# KiCad board gk.kicad_pcb (continued)
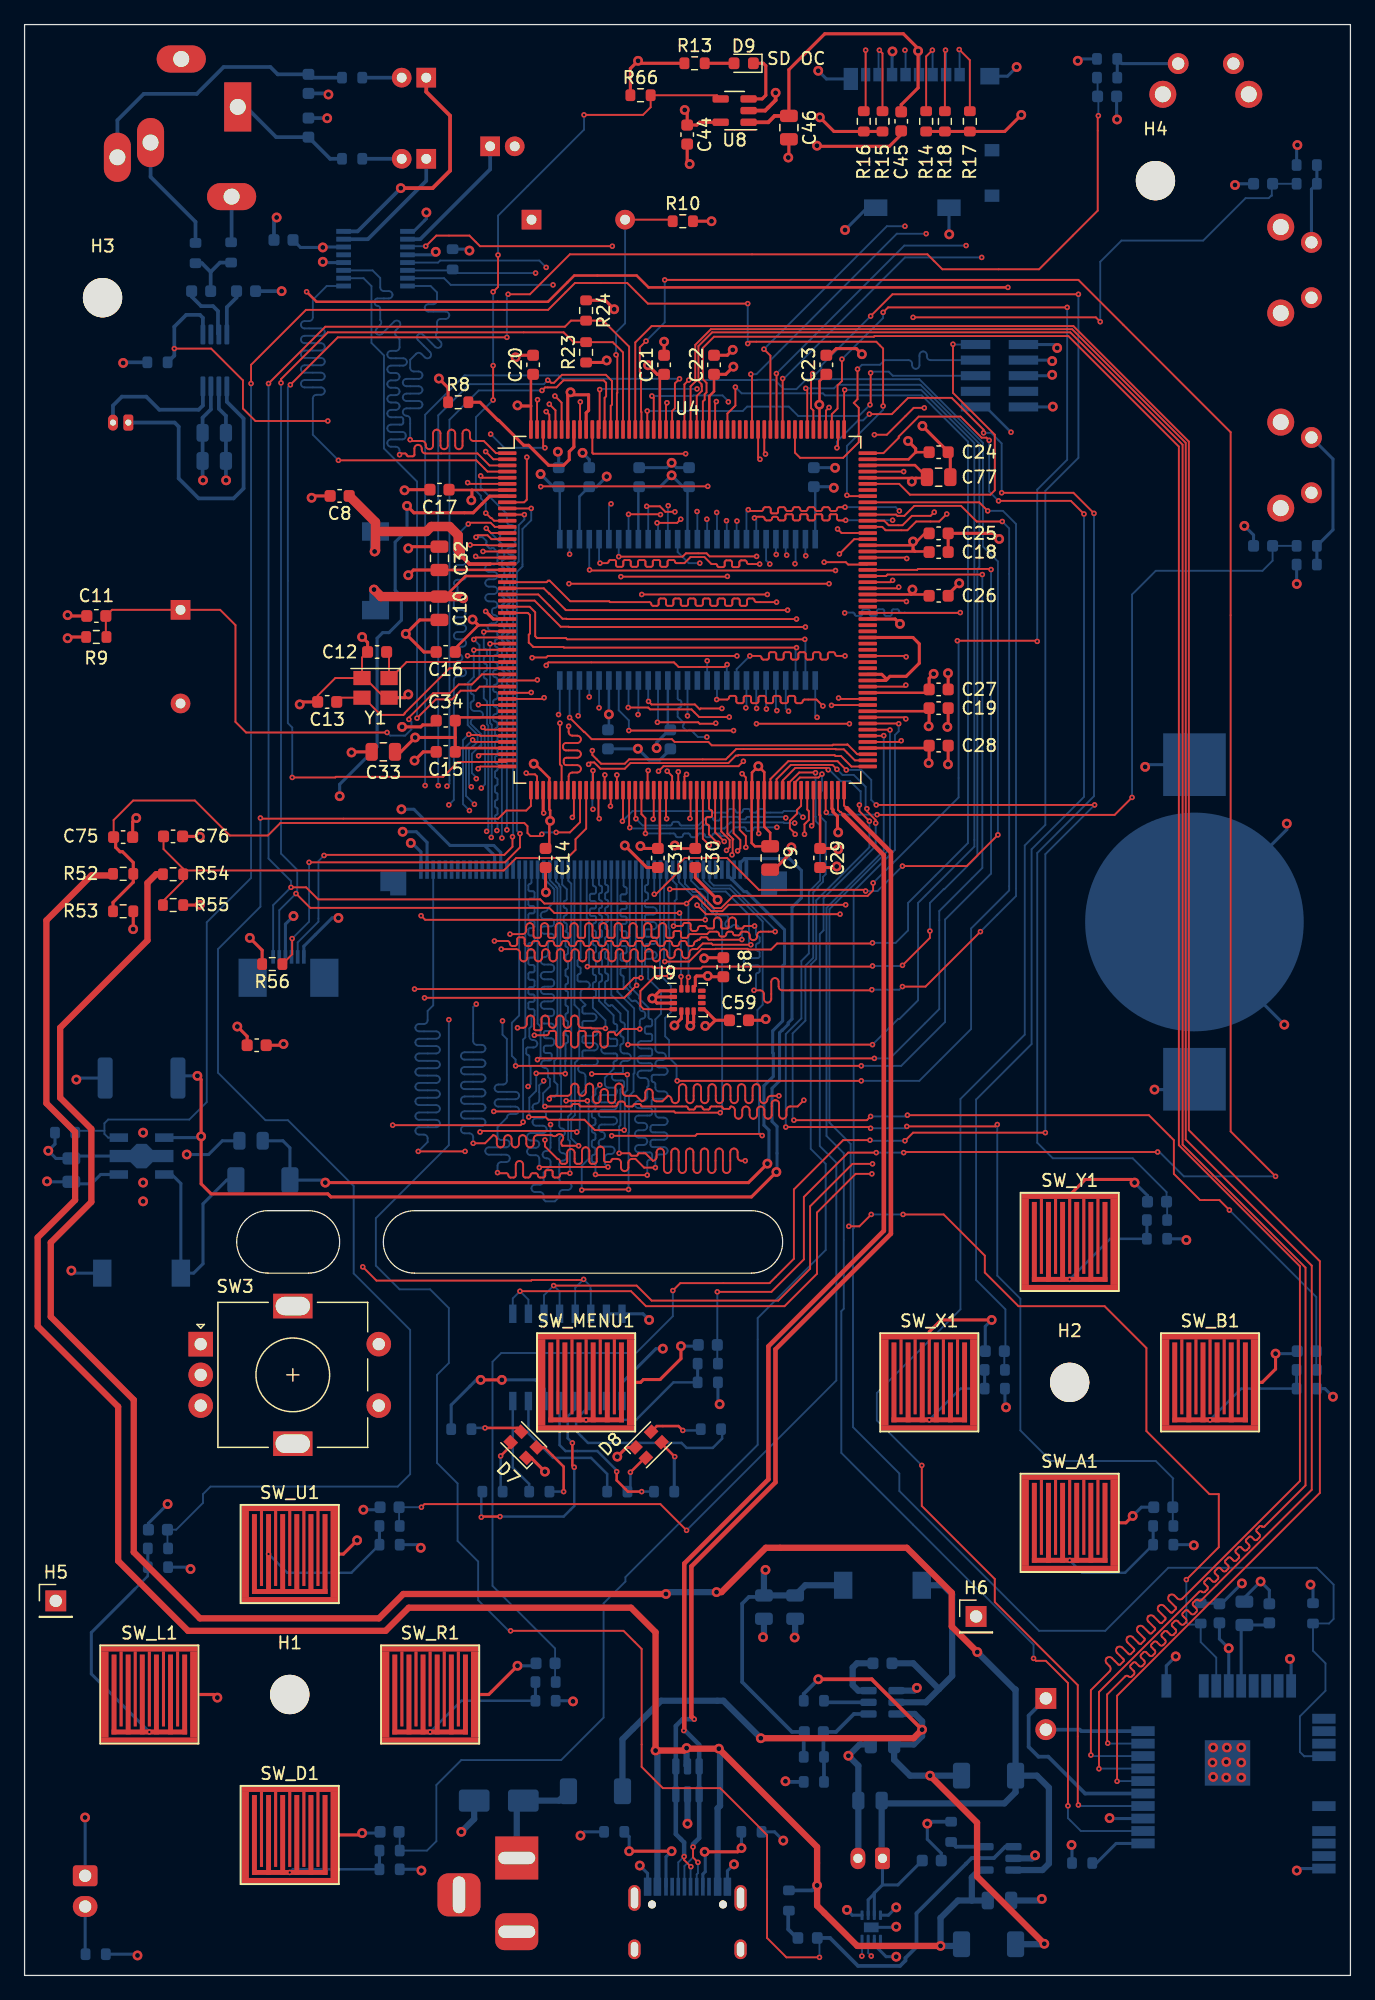
[diagram p0: board, top side]
## Routing (per net, layer and track width the routed paths; a pad name or vN(x,y) marks a point on that pad's centre or on a via; arc(x,y) is an arc through that point) (continued)
BTN_MCU_U: length 103.6
  Top w0.152: v2(32.31,38.1) 32.56,38.35 51.77,38.35 v2(53.9,36.22) ; v2(68.58,94.95) 68.58,94.74 69.3,94.02 v2(69.3,93.77) ; v2(66.14,98.15) 65.79,98.5 62.38,98.5 61.22,97.34 U4.93
  Bottom w0.152: v2(68.58,94.95) 68.48,95.05 68.48,96.72 67.51,97.69 66.6,97.69 v2(66.14,98.15) ; v2(32.31,38.1) C67.1 30.49,36.63 30.54,36.58 ; v2(69.3,93.77) 69.3,91.9 65.05,87.66 65.05,85.04 64.75,84.74 64.75,67.49 66.09,66.14 66.09,48.41 v2(53.9,36.22)
BTN_MCU_VOLDOWN: length 59.7
  Top w0.152: v2(69.41,94.46) 69.43,94.44 88.75,94.44 v2(90.17,95.86) ; U4.101 65.22,94.69 v2(65.28,94.64)
  Bottom w0.152: R47.2 C72.1 101.61,115.13 100.79,114.3 92.1,114.3 90.17,112.37 v2(90.17,95.86) ; v2(69.41,94.46) 65.46,94.46 v2(65.28,94.64)
BTN_MCU_VOLUP: length 90.3
  Top w0.152: v2(73.25,127.56) 72.39,127.56 70.21,125.37 v2(69.19,125.37) ; v2(58.42,97.79) 58.72,97.49 U4.88 ; v2(59.59,101.85) v2(67.16,101.85) ; v2(87.58,134.57) 87.22,134.92 v2(72.34,134.92)
  In3.Cu w0.152: v2(73.25,127.56) 73.25,134.01 v2(72.34,134.92) ; v2(69.19,125.37) 69.04,125.37 67.46,123.8 67.46,119.02 67.67,118.82 67.41,118.57 67.41,107.04 67.16,106.78 v2(67.16,101.85) ; v2(59.59,101.85) 59.59,99.26 58.42,98.09 v2(58.42,97.79)
  Bottom w0.152: v2(87.58,134.57) 87.58,139.45 89.31,141.17 95.96,141.17 99.42,144.63 101.3,144.63 101.5,144.83 101.55,144.83 101.55,145.73 C71.1 R45.2
BTN_MCU_X: length 99
  Top w0.152: U4.156 69.93,123.88 71.17,125.12 71.17,125.22 72.8,126.85 76.21,126.85 77.92,125.14 78.32,125.14 v2(78.54,124.92) ; v2(86.26,118.92) 85.19,119.99 v2(79.3,119.99)
  Bottom w0.152: v2(79.3,119.99) 78.54,120.75 v2(78.54,124.92) ; v2(86.26,118.92) 86.26,95.91 81.99,91.64 81.99,75.79 77.47,71.27 77.47,56.59 79.86,54.2 79.86,50.89 C65.1 79.77,49.33 R33.2
BTN_MCU_Y: length 98.4
  Top w0.152: v2(78.08,125.53) 78.08,125.78 75.49,128.37 71.93,128.37 70.61,127.05 v2(68.78,127.05) ; v2(87.07,118.97) 85.39,120.65 v2(79.55,120.65) ; v2(66.14,124.31) 66.22,124.39 U4.158
  Bottom w0.152: R35.2 93.03,62.91 C66.1 92.98,63.74 90.22,66.5 83.72,66.5 82.45,67.77 82.45,91.34 87.07,95.96 v2(87.07,118.97) ; v2(79.55,120.65) 79.55,124.66 78.69,125.53 v2(78.08,125.53) ; v2(68.78,127.05) 68.28,126.54 67.87,126.54 66.14,124.82 v2(66.14,124.31)
BTNLED_B: length 103.7
  Top w0.152: v2(45.52,56.64) 45.47,56.59 41.3,56.59 41.25,56.54 28.65,56.54 v2(27.53,57.66) ; v2(42.37,124.31) 42.22,124.45 U4.206
  In3.Cu w0.152: v2(37.95,125.43) 34.99,122.47 34.99,85.84 33.32,84.18 33.32,77.37 33.99,76.71 33.99,76.05 30.94,73 30.94,66.55 27.53,63.14 v2(27.53,57.66)
  Bottom w0.152: U11.6 46.1,55.8 46.08,55.83 46.08,56.08 v2(45.52,56.64) 44.83,55.96 U11.5 ; v2(37.95,125.43) 39.07,124.31 v2(42.37,124.31)
BTNLED_G: length 107.9
  Top w0.152: U4.143 66.52,117.38 v2(66.19,117.7) ; v2(43.08,56.13) 49.83,56.13 51.05,54.91 61.37,54.91 63.96,57.51 63.96,62.59 67.41,66.04 v2(69.04,66.04)
  In3.Cu w0.152: v2(69.04,66.04) 69.29,66.29 75.08,66.29 75.79,67.01 75.79,93.98 72.85,96.93 70.05,96.93 65.74,101.24 64.58,101.24 63.77,102.06 63.77,103.27 64.07,103.58 64.07,115.58 v2(66.19,117.7)
  Bottom w0.152: U11.3 42.29,55.35 v2(43.08,56.13) 43.56,55.65 U11.4
BTNLED_R: length 110.4
  Top w0.152: v2(66.34,115.67) 67.55,116.88 U4.142 ; v2(68.99,65.23) 67.67,65.23 64.52,62.08 64.52,57.1 61.87,54.46 50.6,54.46 49.38,55.68 v2(40.34,55.68)
  In3.Cu w0.152: v2(66.34,115.67) 65.22,115.67 64.31,114.77 64.31,103.48 64.01,103.17 64.01,102.16 64.67,101.5 66.04,101.5 70.1,97.43 73.66,97.43 76.4,94.69 76.4,66.34 75.64,65.58 69.34,65.58 v2(68.99,65.23)
  Bottom w0.152: U11.1 39.75,55.09 v2(40.34,55.68) 41.02,54.99 U11.2
CTP_INT: length 53.6
  Top w0.152: v2(40.69,118.87) 40.69,118.88 U4.11 ; v2(39.73,92.66) 39.73,91.85 39.07,91.19 24.43,91.19 v2(24.38,91.14)
  Bottom w0.152: v2(39.73,92.66) 39.78,92.71 39.78,114.6 40.23,115.06 40.23,118.01 40.69,118.47 v2(40.69,118.87) ; v2(24.38,91.14) 23.93,90.68 23.93,85.75 22.24,84.06 J9.2
CTP_NRESET: length 58.5
  Top w0.152: v2(40.34,92.91) 40.34,91.8 39.12,90.58 v2(23.16,90.58) ; U4.10 41.24,119.38 v2(41.25,119.38) ; R56.1 21.79,83.09 v2(21.79,84.37)
  Bottom w0.152: v2(40.34,92.91) 40.08,93.17 40.08,114.2 40.54,114.66 40.54,117.7 41.25,118.41 v2(41.25,119.38) ; J9.3 21.74,84.32 v2(21.79,84.37) 23.16,85.75 v2(23.16,90.58)
FMC_A0: length 34.4
  Top w0.152: U4.22 42.5,113.38 42.62,113.5 42.75,113.5 44.42,111.83 47.6,111.83 47.67,111.75 50.88,111.75 arc(50.98,111.71) 51.02,111.6 arc(51.07,111.49) 51.17,111.45 51.47,111.45 arc(51.58,111.49) 51.62,111.6 51.62,111.9 arc(51.67,112.01) 51.77,112.05 52.08,112.05 arc(52.18,112.01) 52.22,111.9 52.22,111.6 arc(52.27,111.49) 52.38,111.45 52.67,111.45 arc(52.78,111.49) 52.83,111.6 52.83,111.9 arc(52.87,112.01) 52.97,112.05 53.27,112.05 arc(53.38,112.01) 53.42,111.9 53.42,111.6 arc(53.47,111.49) 53.58,111.45 53.88,111.45 arc(53.98,111.49) 54.02,111.6 54.02,111.9 arc(54.07,112.01) 54.17,112.05 54.47,112.05 arc(54.58,112.01) 54.62,111.9 54.62,111.6 arc(54.67,111.49) 54.77,111.45 55.08,111.45 arc(55.18,111.49) 55.22,111.6 55.22,111.9 arc(55.27,112.01) 55.38,112.05 55.67,112.05 arc(55.78,112.01) 55.83,111.9 55.83,111.6 arc(55.87,111.49) 55.97,111.45 56.27,111.45 arc(56.38,111.49) 56.42,111.6 56.42,111.9 arc(56.47,112.01) 56.58,112.05 56.88,112.05 arc(56.98,112.01) 57.02,111.9 57.02,111.6 arc(57.07,111.49) 57.17,111.45 57.47,111.45 arc(57.58,111.49) 57.62,111.6 57.62,111.9 arc(57.67,112.01) 57.77,112.05 58.08,112.05 arc(58.18,112.01) 58.22,111.9 58.22,111.6 arc(58.27,111.49) 58.38,111.45 58.67,111.45 arc(58.78,111.49) 58.83,111.6 58.83,111.9 arc(58.87,112.01) 58.97,112.05 59.27,112.05 arc(59.38,112.01) 59.42,111.9 arc(59.47,111.79) 59.58,111.75 v2(61.22,111.75)
  In3.Cu w0.152: v2(61.2,115.63) 61.35,115.48 61.35,114.7 61.22,114.58 v2(61.22,111.75)
  Bottom w0.152: U6.23 61.17,115.65 v2(61.2,115.63)
FMC_A1: length 29.4
  Top w0.152: U4.23 42.27,112.88 42.7,112.45 42.72,112.45 44.08,111.1 v2(62.12,111.1)
  In3.Cu w0.152: v2(62.12,111.1) 62.12,115.5 v2(62.05,115.58)
  Bottom w0.152: U6.24 61.97,115.65 v2(62.05,115.58)
FMC_A2: length 31
  Top w0.152: U4.24 41.83,112.38 43.8,110.4 44.12,110.4 44.15,110.38 v2(62.85,110.38)
  In3.Cu w0.152: v2(62.85,110.38) 62.85,114.75 v2(62.72,114.88)
  Bottom w0.152: v2(62.72,114.88) 62.77,114.93 U6.25
FMC_A3: length 32.3
  Top w0.152: v2(63.58,109.73) 44.33,109.73 44.3,109.75 43.65,109.75 41.52,111.88 U4.25
  In3.Cu w0.152: v2(63.58,109.73) 63.58,115.5 v2(63.6,115.53)
  Bottom w0.152: U6.26 63.58,115.55 v2(63.6,115.53)
FMC_A4: length 29.8
  Top w0.152: v2(63.52,108.73) 44.17,108.73 44.08,108.83 41.72,108.83 41.58,108.98 41.58,110.93 41.12,111.38 U4.26
  Bottom w0.152: v2(63.52,108.73) 63.58,108.68 U6.29
FMC_A5: length 28.9
  Top w0.152: U4.27 40.97,110.88 41.15,110.7 41.15,109.2 41.05,109.1 41.05,108.45 41.08,108.45 41.42,108.1 43.88,108.1 43.92,108.05 v2(62.85,108.05)
  Bottom w0.152: v2(62.85,108.05) 62.77,107.98 U6.30
FMC_A6: length 32.3
  Top w0.152: v2(48.67,93.93) 48.72,93.98 U4.68
  In3.Cu w0.152: v2(62.2,102.88) 63.38,101.7 63.38,101.33 arc(63.42,101.22) 63.52,101.18 arc(63.63,101.13) 63.67,101.03 63.67,100.73 arc(63.63,100.62) 63.52,100.58 arc(63.42,100.53) 63.38,100.43 63.38,100.13 arc(63.42,100.02) 63.52,99.98 arc(63.63,99.93) 63.67,99.83 63.67,99.53 arc(63.63,99.42) 63.52,99.38 arc(63.42,99.33) 63.38,99.23 63.38,98.93 arc(63.42,98.82) 63.52,98.78 arc(63.63,98.73) 63.67,98.63 63.67,98.33 arc(63.63,98.22) 63.52,98.18 arc(63.42,98.13) 63.38,98.03 63.38,97.73 arc(63.42,97.62) 63.52,97.58 arc(63.63,97.53) 63.67,97.43 63.67,97.13 arc(63.63,97.02) 63.52,96.98 arc(63.42,96.93) 63.38,96.83 63.38,96.53 arc(63.42,96.42) 63.52,96.38 arc(63.63,96.33) 63.67,96.23 63.67,95.93 arc(63.63,95.82) 63.52,95.78 arc(63.42,95.73) 63.38,95.63 v2(63.38,94.25)
  Bottom w0.152: v2(63.38,94.25) 62.88,94.75 61.83,94.75 61.7,94.63 60.42,94.63 arc(60.32,94.67) 60.27,94.78 arc(60.23,94.88) 60.12,94.93 59.83,94.93 arc(59.72,94.88) 59.67,94.78 arc(59.63,94.67) 59.52,94.63 59.22,94.63 arc(59.12,94.67) 59.08,94.78 arc(59.03,94.88) 58.92,94.93 58.62,94.93 arc(58.52,94.88) 58.47,94.78 arc(58.43,94.67) 58.33,94.63 58.02,94.63 arc(57.92,94.67) 57.88,94.78 arc(57.83,94.88) 57.72,94.93 57.42,94.93 arc(57.32,94.88) 57.27,94.78 arc(57.23,94.67) 57.12,94.63 56.08,94.63 55.95,94.75 49.5,94.75 v2(48.67,93.93) ; U6.31 61.97,103.1 v2(62.2,102.88)
FMC_A7: length 31
  Top w0.152: v2(49.27,93.4) 49.22,93.45 U4.69
  In3.Cu w0.152: v2(62.7,93.78) 62.7,95.33 arc(62.74,95.43) 62.85,95.48 arc(62.96,95.52) 63,95.63 63,95.93 arc(62.96,96.03) 62.85,96.08 arc(62.74,96.12) 62.7,96.23 62.7,96.53 arc(62.74,96.63) 62.85,96.68 arc(62.96,96.72) 63,96.83 63,97.13 arc(62.96,97.23) 62.85,97.28 arc(62.74,97.32) 62.7,97.43 62.7,97.73 arc(62.74,97.83) 62.85,97.88 arc(62.96,97.92) 63,98.03 63,98.33 arc(62.96,98.43) 62.85,98.48 arc(62.74,98.52) 62.7,98.63 62.7,98.93 arc(62.74,99.03) 62.85,99.08 arc(62.96,99.12) 63,99.23 63,99.53 arc(62.96,99.63) 62.85,99.68 arc(62.74,99.72) 62.7,99.83 62.7,100.13 arc(62.74,100.23) 62.85,100.28 arc(62.96,100.32) 63,100.43 63,100.73 arc(62.96,100.83) 62.85,100.88 arc(62.74,100.92) 62.7,101.03 62.7,101.48 v2(61.25,102.93)
  Bottom w0.152: v2(62.7,93.78) 61.85,93.78 61.8,93.83 57.47,93.83 56.98,93.33 55.92,93.33 arc(55.82,93.38) 55.77,93.48 arc(55.73,93.59) 55.62,93.63 55.33,93.63 arc(55.22,93.59) 55.17,93.48 arc(55.13,93.38) 55.02,93.33 49.34,93.33 v2(49.27,93.4) ; v2(61.25,102.93) 61.17,103 U6.32
FMC_A8: length 32
  Top w0.152: U4.70 49.72,94.18 v2(49.77,94.13)
  In3.Cu w0.152: v2(61.97,94.2) 61.97,95.48 arc(62.02,95.58) 62.12,95.63 arc(62.23,95.67) 62.27,95.78 62.27,96.08 arc(62.23,96.18) 62.12,96.23 61.83,96.23 arc(61.72,96.27) 61.67,96.38 61.67,96.68 arc(61.72,96.78) 61.83,96.83 62.12,96.83 arc(62.23,96.87) 62.27,96.98 62.27,97.28 arc(62.23,97.38) 62.12,97.43 61.83,97.43 arc(61.72,97.47) 61.67,97.58 61.67,97.88 arc(61.72,97.98) 61.83,98.03 62.12,98.03 arc(62.23,98.07) 62.27,98.18 62.27,98.48 arc(62.23,98.58) 62.12,98.63 61.83,98.63 arc(61.72,98.67) 61.67,98.78 61.67,99.08 arc(61.72,99.18) 61.83,99.23 62.12,99.23 arc(62.23,99.27) 62.27,99.38 62.27,99.68 arc(62.23,99.78) 62.12,99.83 61.83,99.83 arc(61.72,99.87) 61.67,99.98 61.67,100.28 arc(61.72,100.38) 61.83,100.43 62.12,100.43 arc(62.23,100.47) 62.27,100.58 62.27,100.88 arc(62.23,100.98) 62.12,101.03 arc(62.02,101.07) 61.97,101.18 61.97,101.48 v2(60.4,103.05)
  Bottom w0.152: U6.33 60.38,103.08 v2(60.4,103.05) ; v2(49.77,94.13) 50.33,93.58 52.58,93.58 arc(52.68,93.62) 52.72,93.73 arc(52.77,93.83) 52.88,93.88 53.17,93.88 arc(53.28,93.83) 53.33,93.73 arc(53.37,93.62) 53.47,93.58 54.85,93.58 55.55,94.28 55.9,94.28 arc(56.01,94.23) 56.05,94.13 arc(56.09,94.02) 56.2,93.98 56.5,93.98 arc(56.61,94.02) 56.65,94.13 arc(56.69,94.23) 56.8,94.28 58.05,94.28 arc(58.12,94.25) 58.15,94.18 arc(58.18,94.1) 58.25,94.08 58.65,94.08 arc(58.72,94.1) 58.75,94.18 arc(58.78,94.25) 58.85,94.28 61.9,94.28 v2(61.97,94.2)
FMC_A9: length 31
  Top w0.152: U4.71 50.22,94.5 50.55,94.18 v2(50.55,92.93)
  In3.Cu w0.152: v2(61.25,93.43) 61.25,94.48 arc(61.29,94.58) 61.4,94.63 arc(61.51,94.67) 61.55,94.78 61.55,95.08 arc(61.51,95.18) 61.4,95.23 61.1,95.23 arc(60.99,95.27) 60.95,95.38 60.95,95.68 arc(60.99,95.78) 61.1,95.83 arc(61.21,95.87) 61.25,95.98 61.25,96.28 arc(61.21,96.38) 61.1,96.43 arc(60.99,96.47) 60.95,96.58 60.95,96.88 arc(60.99,96.98) 61.1,97.03 arc(61.21,97.07) 61.25,97.18 61.25,97.48 arc(61.21,97.58) 61.1,97.63 arc(60.99,97.67) 60.95,97.78 60.95,98.08 arc(60.99,98.18) 61.1,98.23 arc(61.21,98.27) 61.25,98.38 61.25,98.68 arc(61.21,98.78) 61.1,98.83 arc(60.99,98.87) 60.95,98.98 60.95,99.28 arc(60.99,99.38) 61.1,99.43 arc(61.21,99.47) 61.25,99.58 61.25,99.88 arc(61.21,99.98) 61.1,100.03 arc(60.99,100.07) 60.95,100.18 60.95,100.48 arc(60.99,100.58) 61.1,100.63 arc(61.21,100.67) 61.25,100.78 61.25,101.45 v2(59.6,103.1)
  Bottom w0.152: v2(50.55,92.93) 52.85,92.93 arc(52.96,92.88) 53,92.78 arc(53.04,92.67) 53.15,92.63 53.45,92.63 arc(53.56,92.67) 53.6,92.78 arc(53.64,92.88) 53.75,92.93 54.05,92.93 arc(54.16,92.88) 54.2,92.78 arc(54.24,92.67) 54.35,92.63 54.65,92.63 arc(54.76,92.67) 54.8,92.78 arc(54.84,92.88) 54.95,92.93 55.25,92.93 arc(55.36,92.88) 55.4,92.78 arc(55.44,92.67) 55.55,92.63 55.85,92.63 arc(55.96,92.67) 56,92.78 arc(56.04,92.88) 56.15,92.93 56.55,92.93 arc(56.62,92.9) 56.65,92.83 arc(56.68,92.75) 56.75,92.73 57.15,92.73 arc(57.22,92.75) 57.25,92.83 arc(57.28,92.9) 57.35,92.93 57.85,93.43 58.58,93.43 arc(58.68,93.38) 58.72,93.28 arc(58.77,93.17) 58.88,93.13 59.17,93.13 arc(59.28,93.17) 59.33,93.28 arc(59.37,93.38) 59.47,93.43 v2(61.25,93.43) ; v2(59.6,103.1) 59.58,103.13 U6.34
FMC_A10: length 35.2
  Top w0.152: v2(50.77,98.05) 50.72,98 U4.72 ; v2(60.47,112.38) v2(50.25,112.38)
  In3.Cu w0.152: v2(60.67,114.85) 60.47,114.65 v2(60.47,112.38) ; v2(50.25,112.38) 50.25,111.4 arc(50.29,111.29) 50.4,111.25 arc(50.51,111.21) 50.55,111.1 50.55,110.8 arc(50.51,110.69) 50.4,110.65 50.1,110.65 arc(49.99,110.61) 49.95,110.5 49.95,110.2 arc(49.99,110.09) 50.1,110.05 50.4,110.05 arc(50.51,110.01) 50.55,109.9 50.55,109.6 arc(50.51,109.49) 50.4,109.45 50.1,109.45 arc(49.99,109.41) 49.95,109.3 49.95,109 arc(49.99,108.89) 50.1,108.85 50.4,108.85 arc(50.51,108.81) 50.55,108.7 50.55,108.4 arc(50.51,108.29) 50.4,108.25 50.1,108.25 arc(49.99,108.21) 49.95,108.1 49.95,107.8 arc(49.99,107.69) 50.1,107.65 50.4,107.65 arc(50.51,107.61) 50.55,107.5 50.55,107.2 arc(50.51,107.09) 50.4,107.05 50.1,107.05 arc(49.99,107.01) 49.95,106.9 49.95,106.6 arc(49.99,106.49) 50.1,106.45 50.4,106.45 arc(50.51,106.41) 50.55,106.3 50.55,106 arc(50.51,105.89) 50.4,105.85 arc(50.29,105.81) 50.25,105.7 50.25,103.28 50.77,102.75 v2(50.77,98.05)
  Bottom w0.152: U6.22 60.38,115.15 v2(60.67,114.85)
FMC_A11: length 22.2
  Top w0.152: v2(51.61,97.99) 52.02,98.4 58.12,98.4 v2(58.52,98.8) ; v2(52.27,94.13) 52.22,94.18 U4.75
  In3.Cu w0.152: v2(51.61,97.99) 51.61,97.86 52.27,97.2 v2(52.27,94.13) ; v2(58.72,103.15) 58.52,102.95 58.52,102.53 arc(58.57,102.42) 58.67,102.38 arc(58.78,102.33) 58.83,102.23 58.83,101.93 arc(58.78,101.82) 58.67,101.78 58.38,101.78 arc(58.27,101.73) 58.22,101.63 58.22,101.33 arc(58.27,101.22) 58.38,101.18 58.67,101.18 arc(58.78,101.13) 58.83,101.03 58.83,100.73 arc(58.78,100.62) 58.67,100.58 58.38,100.58 arc(58.27,100.53) 58.22,100.43 58.22,100.13 arc(58.27,100.02) 58.38,99.98 arc(58.48,99.93) 58.52,99.83 v2(58.52,98.8)
  Bottom w0.152: v2(58.72,103.15) 58.77,103.2 U6.35
FMC_A12: length 38.4
  Top w0.152: v2(66.8,107.38) 66.15,107.38 arc(66.04,107.42) 66,107.53 arc(65.96,107.63) 65.85,107.68 65.55,107.68 arc(65.44,107.63) 65.4,107.53 65.4,107.23 arc(65.36,107.12) 65.25,107.08 64.95,107.08 arc(64.84,107.12) 64.8,107.23 64.8,107.53 arc(64.76,107.63) 64.65,107.68 64.35,107.68 arc(64.24,107.63) 64.2,107.53 64.2,107.23 arc(64.16,107.12) 64.05,107.08 63.75,107.08 arc(63.64,107.12) 63.6,107.23 63.6,107.53 arc(63.56,107.63) 63.45,107.68 63.15,107.68 arc(63.04,107.63) 63,107.53 63,107.23 arc(62.96,107.12) 62.85,107.08 62.55,107.08 arc(62.44,107.12) 62.4,107.23 62.4,107.53 arc(62.36,107.63) 62.25,107.68 61.95,107.68 arc(61.84,107.63) 61.8,107.53 61.8,107.23 arc(61.76,107.12) 61.65,107.08 61.35,107.08 arc(61.24,107.12) 61.2,107.23 61.2,107.53 arc(61.16,107.63) 61.05,107.68 60.75,107.68 arc(60.64,107.63) 60.6,107.53 60.6,107.23 arc(60.56,107.12) 60.45,107.08 60.15,107.08 arc(60.04,107.12) 60,107.23 arc(59.96,107.33) 59.85,107.38 v2(59.05,107.38) ; U4.130 76.16,110.88 v2(76.18,110.9)
  In3.Cu w0.152: v2(66.8,107.38) 66.8,108.58 arc(66.84,108.68) 66.95,108.73 arc(67.06,108.77) 67.1,108.88 67.1,109.18 arc(67.06,109.28) 66.95,109.33 66.67,109.33 arc(66.59,109.36) 66.55,109.45 66.55,109.8 arc(66.59,109.89) 66.67,109.93 arc(66.76,109.96) 66.8,110.05 66.8,110.85 v2(66.77,110.88)
  Bottom w0.152: v2(66.77,110.88) 66.8,110.9 67.45,110.9 arc(67.54,110.86) 67.58,110.77 arc(67.62,110.67) 67.72,110.63 68.07,110.63 arc(68.16,110.67) 68.2,110.77 68.2,111.04 arc(68.24,111.13) 68.34,111.17 68.66,111.17 arc(68.76,111.13) 68.8,111.04 68.8,110.76 arc(68.84,110.67) 68.94,110.63 69.26,110.63 arc(69.36,110.67) 69.4,110.76 69.4,111.04 arc(69.44,111.13) 69.54,111.17 69.86,111.17 arc(69.96,111.13) 70,111.04 70,110.76 arc(70.04,110.67) 70.14,110.63 70.46,110.63 arc(70.56,110.67) 70.6,110.76 70.6,111.03 arc(70.64,111.13) 70.73,111.17 71.07,111.17 arc(71.16,111.13) 71.2,111.03 arc(71.24,110.94) 71.33,110.9 v2(76.18,110.9) ; v2(59.05,107.38) 57.97,106.3 U6.36
FMC_BA0: length 28.1
  Top w0.152: v2(58.92,119.28) 59.02,119.18 60,119.18 arc(60.11,119.22) 60.15,119.33 arc(60.19,119.43) 60.3,119.48 60.6,119.48 arc(60.71,119.43) 60.75,119.33 60.75,119.08 arc(60.78,119) 60.85,118.98 61.25,118.98 arc(61.32,119) 61.35,119.08 61.35,119.33 arc(61.39,119.43) 61.5,119.48 61.8,119.48 arc(61.91,119.43) 61.95,119.33 arc(61.99,119.22) 62.1,119.18 62.4,119.18 arc(62.51,119.22) 62.55,119.33 arc(62.59,119.43) 62.7,119.48 63,119.48 arc(63.11,119.43) 63.15,119.33 arc(63.19,119.22) 63.3,119.18 63.6,119.18 arc(63.71,119.22) 63.75,119.33 arc(63.79,119.43) 63.9,119.48 64.2,119.48 arc(64.31,119.43) 64.35,119.33 arc(64.39,119.22) 64.5,119.18 64.8,119.18 arc(64.91,119.22) 64.95,119.33 arc(64.99,119.43) 65.1,119.48 65.4,119.48 arc(65.51,119.43) 65.55,119.33 arc(65.59,119.22) 65.7,119.18 66,119.18 arc(66.11,119.22) 66.15,119.33 arc(66.19,119.43) 66.3,119.48 66.8,119.48 v2(66.8,119.48) ; v2(71.17,112.98) 71.08,112.88 U4.134
  In3.Cu w0.152: v2(71.17,112.98) 71.22,113.03 71.22,114.18 arc(71.18,114.28) 71.08,114.33 arc(70.97,114.37) 70.92,114.48 70.92,114.78 arc(70.97,114.88) 71.08,114.93 arc(71.18,114.97) 71.22,115.08 71.22,115.38 arc(71.18,115.48) 71.08,115.53 arc(70.97,115.57) 70.92,115.68 70.92,115.98 arc(70.97,116.08) 71.08,116.13 71.38,116.13 arc(71.48,116.17) 71.52,116.28 71.52,116.58 arc(71.48,116.68) 71.38,116.73 71.08,116.73 arc(70.97,116.77) 70.92,116.88 70.92,117.18 arc(70.97,117.28) 71.08,117.33 71.38,117.33 arc(71.48,117.37) 71.52,117.48 71.52,117.78 arc(71.48,117.88) 71.38,117.93 arc(71.27,117.97) 71.22,118.08 v2(71.22,119.18)
  Bottom w0.152: v2(66.8,119.48) 70.92,119.48 v2(71.22,119.18) ; U6.20 58.77,119.13 v2(58.92,119.28)
FMC_BA1: length 24.7
  Top w0.152: U4.135 70.52,113.38 v2(70.67,113.53) ; v2(66.85,118.41) 66.84,118.4 66.3,118.4 arc(66.19,118.44) 66.15,118.55 66.15,118.8 arc(66.12,118.87) 66.05,118.9 65.65,118.9 arc(65.58,118.87) 65.55,118.8 65.55,118.55 arc(65.51,118.44) 65.4,118.4 65.1,118.4 arc(64.99,118.44) 64.95,118.55 64.95,118.8 arc(64.92,118.87) 64.85,118.9 64.45,118.9 arc(64.38,118.87) 64.35,118.8 64.35,118.55 arc(64.31,118.44) 64.2,118.4 63.9,118.4 arc(63.79,118.44) 63.75,118.55 63.75,118.8 arc(63.72,118.87) 63.65,118.9 63.25,118.9 arc(63.18,118.87) 63.15,118.8 63.15,118.55 arc(63.11,118.44) 63,118.4 62.7,118.4 arc(62.59,118.44) 62.55,118.55 62.55,118.8 arc(62.52,118.87) 62.45,118.9 62.05,118.9 arc(61.98,118.87) 61.95,118.8 61.95,118.55 arc(61.91,118.44) 61.8,118.4 61.5,118.4 arc(61.39,118.44) 61.35,118.55 arc(61.31,118.66) 61.2,118.7 61,118.7 arc(60.89,118.66) 60.85,118.55 arc(60.81,118.44) 60.7,118.4 60.4,118.4 arc(60.29,118.44) 60.25,118.55 arc(60.21,118.66) 60.1,118.7 59.52,118.7 v2(59.42,118.6)
  In3.Cu w0.152: v2(70.67,118.41) 70.67,117.75 arc(70.63,117.64) 70.52,117.6 arc(70.42,117.56) 70.38,117.45 70.38,117.15 arc(70.42,117.04) 70.52,117 arc(70.63,116.96) 70.67,116.85 70.67,116.55 arc(70.63,116.44) 70.52,116.4 arc(70.42,116.36) 70.38,116.25 70.38,115.95 arc(70.42,115.84) 70.52,115.8 arc(70.63,115.76) 70.67,115.65 70.67,115.35 arc(70.63,115.24) 70.52,115.2 arc(70.42,115.16) 70.38,115.05 70.38,114.75 arc(70.42,114.64) 70.52,114.6 arc(70.63,114.56) 70.67,114.45 v2(70.67,113.53)
  Bottom w0.152: U6.21 59.58,118.45 v2(59.42,118.6) ; v2(66.85,118.41) v2(70.67,118.41)
FMC_D0: length 37.8
  Top w0.152: U4.115 65.72,103.38 v2(65.7,103.35) ; v2(65.5,113.25) v2(44.33,113.25)
  In3.Cu w0.152: v2(65.5,113.25) 65.7,113.05 v2(65.7,103.35) ; v2(44.38,115.65) 44.33,115.6 v2(44.33,113.25)
  Bottom w0.152: U6.2 v2(44.38,115.65)
FMC_D1: length 35.4
  Top w0.152: U4.116 66.35,103.88 v2(66.27,103.95) ; v2(66.02,114.33) 46.05,114.33 v2(46,114.38)
  In3.Cu w0.152: v2(66.27,103.95) 66.27,114.08 v2(66.02,114.33)
  Bottom w0.152: v2(46,114.38) 45.97,114.4 U6.4
FMC_D2: length 32
  Top w0.152: v2(59.85,114.85) 58.95,114.85 arc(58.84,114.89) 58.8,115 arc(58.76,115.11) 58.65,115.15 58.35,115.15 arc(58.24,115.11) 58.2,115 58.2,114.73 arc(58.16,114.64) 58.08,114.6 57.72,114.6 arc(57.64,114.64) 57.6,114.73 57.6,115 arc(57.56,115.11) 57.45,115.15 57.15,115.15 arc(57.04,115.11) 57,115 57,114.73 arc(56.96,114.64) 56.88,114.6 56.52,114.6 arc(56.44,114.64) 56.4,114.73 arc(56.36,114.81) 56.27,114.85 55.92,114.85 55.35,115.43 54.22,115.43 53.72,114.93 53.08,114.93 arc(52.99,114.96) 52.95,115.05 arc(52.91,115.14) 52.83,115.18 52.47,115.18 arc(52.39,115.14) 52.35,115.05 52.35,114.78 arc(52.31,114.67) 52.2,114.63 51.9,114.63 arc(51.79,114.67) 51.75,114.78 51.75,115.05 arc(51.71,115.14) 51.62,115.18 51.27,115.18 arc(51.19,115.14) 51.15,115.05 51.15,114.78 arc(51.11,114.67) 51,114.63 50.7,114.63 arc(50.59,114.67) 50.55,114.78 50.55,115.05 arc(50.51,115.14) 50.42,115.18 50.08,115.18 arc(49.99,115.14) 49.95,115.05 49.95,114.78 arc(49.91,114.67) 49.8,114.63 49.5,114.63 arc(49.39,114.67) 49.35,114.78 49.35,115.05 arc(49.31,115.14) 49.22,115.18 48.88,115.18 arc(48.79,115.14) 48.75,115.05 48.75,114.78 arc(48.71,114.67) 48.6,114.63 48.3,114.63 arc(48.19,114.67) 48.15,114.78 48.15,115.05 arc(48.11,115.14) 48.02,115.18 47.67,115.18 arc(47.59,115.14) 47.55,115.05 arc(47.51,114.96) 47.42,114.93 v2(46.85,114.93) ; U4.170 60.22,123.9 v2(60.33,123.8)
  In3.Cu w0.152: v2(60.33,123.8) 60.33,115.33 v2(59.85,114.85)
  Bottom w0.152: v2(46.85,114.93) 46.77,115 U6.5
FMC_D3: length 23.4
  Top w0.152: U4.171 59.72,123.53 v2(59.88,123.38) ; v2(48.38,115.45) 53.58,115.45 53.85,115.73 55.52,115.73 55.77,115.48 v2(59.6,115.48)
  In3.Cu w0.152: v2(59.88,123.38) 59.88,115.75 v2(59.6,115.48)
  Bottom w0.152: U6.7 v2(48.38,115.45)
FMC_D4: length 30.8
  Top w0.152: v2(49.17,118.9) 51.75,118.9 ; v2(52.32,97.99) 52.72,97.59 U4.76
  In3.Cu w0.152: v2(52.32,97.99) 52.7,98.37 52.7,101.7 52.4,102 52.4,109.65 arc(52.44,109.76) 52.55,109.8 arc(52.66,109.84) 52.7,109.95 52.7,110.25 arc(52.66,110.36) 52.55,110.4 52.25,110.4 arc(52.14,110.44) 52.1,110.55 52.1,110.85 arc(52.14,110.96) 52.25,111 52.55,111 arc(52.66,111.04) 52.7,111.15 52.7,111.45 arc(52.66,111.56) 52.55,111.6 52.25,111.6 arc(52.14,111.64) 52.1,111.75 52.1,112.05 arc(52.14,112.16) 52.25,112.2 52.55,112.2 arc(52.66,112.24) 52.7,112.35 52.7,112.65 arc(52.66,112.76) 52.55,112.8 52.25,112.8 arc(52.14,112.84) 52.1,112.95 52.1,113.25 arc(52.14,113.36) 52.25,113.4 arc(52.36,113.44) 52.4,113.55 52.38,113.58 52.38,114.13 arc(52.33,114.23) 52.22,114.28 arc(52.12,114.32) 52.08,114.43 52.08,114.73 arc(52.12,114.83) 52.22,114.88 arc(52.33,114.92) 52.38,115.03 52.38,118.28 v2(51.77,118.88)
  Bottom w0.152: U6.8 v2(49.17,118.9)
FMC_D5: length 30.7
  Top w0.152: v2(52.95,119.1) 52.17,119.1 51.72,119.55 v2(50.65,119.55) ; U4.77 v2(53.22,97.95)
  In3.Cu w0.152: v2(53.22,97.95) 53.22,101.65 52.95,101.93 52.95,103.53 arc(52.91,103.63) 52.8,103.68 arc(52.69,103.72) 52.65,103.83 52.65,104.13 arc(52.69,104.23) 52.8,104.28 53.08,104.28 arc(53.16,104.31) 53.2,104.4 53.2,104.75 arc(53.16,104.84) 53.08,104.88 52.8,104.88 arc(52.69,104.92) 52.65,105.03 52.65,105.33 arc(52.69,105.43) 52.8,105.48 53.08,105.48 arc(53.16,105.51) 53.2,105.6 53.2,105.95 arc(53.16,106.04) 53.08,106.08 52.8,106.08 arc(52.69,106.12) 52.65,106.23 52.65,106.53 arc(52.69,106.63) 52.8,106.68 arc(52.91,106.72) 52.95,106.83 52.95,107.13 arc(52.91,107.23) 52.8,107.28 arc(52.69,107.32) 52.65,107.43 52.65,107.73 arc(52.69,107.83) 52.8,107.88 arc(52.91,107.92) 52.95,108.03 52.95,108.33 arc(52.91,108.43) 52.8,108.48 arc(52.69,108.52) 52.65,108.63 52.65,108.93 arc(52.69,109.03) 52.8,109.08 arc(52.91,109.12) 52.95,109.23 v2(52.95,119.1)
  Bottom w0.152: v2(50.65,119.55) 50.77,119.43 U6.10
FMC_D6: length 31.5
  Top w0.152: v2(53.9,97.74) 53.72,97.57 U4.78 ; v2(53.42,118.5) 53.12,118.2 v2(51.5,118.2)
  In3.Cu w0.152: v2(53.42,118.5) 53.42,116.08 arc(53.47,115.97) 53.58,115.93 arc(53.68,115.88) 53.72,115.78 53.72,115.48 arc(53.68,115.37) 53.58,115.33 53.33,115.33 arc(53.25,115.3) 53.22,115.23 53.22,114.83 arc(53.25,114.75) 53.33,114.73 arc(53.4,114.7) 53.42,114.63 53.42,113.75 53.45,113.73 arc(53.49,113.62) 53.6,113.58 arc(53.71,113.53) 53.75,113.43 53.75,113.13 arc(53.71,113.02) 53.6,112.98 53.33,112.98 arc(53.24,112.94) 53.2,112.85 53.2,112.5 arc(53.24,112.41) 53.33,112.38 53.6,112.38 arc(53.71,112.33) 53.75,112.23 53.75,111.93 arc(53.71,111.82) 53.6,111.78 53.33,111.78 arc(53.24,111.74) 53.2,111.65 53.2,111.3 arc(53.24,111.21) 53.33,111.18 53.6,111.18 arc(53.71,111.13) 53.75,111.03 53.75,110.73 arc(53.71,110.62) 53.6,110.58 53.33,110.58 arc(53.24,110.54) 53.2,110.45 53.2,110.1 arc(53.24,110.01) 53.33,109.98 53.6,109.98 arc(53.71,109.93) 53.75,109.83 53.75,109.53 arc(53.71,109.42) 53.6,109.38 53.33,109.38 arc(53.24,109.34) 53.2,109.25 53.2,108.9 arc(53.24,108.81) 53.33,108.78 53.6,108.78 arc(53.71,108.73) 53.75,108.63 53.75,108.33 arc(53.71,108.22) 53.6,108.18 53.33,108.18 arc(53.24,108.14) 53.2,108.05 53.2,107.7 arc(53.24,107.61) 53.33,107.58 53.6,107.58 arc(53.71,107.53) 53.75,107.43 53.75,107.13 arc(53.71,107.02) 53.6,106.98 53.33,106.98 arc(53.24,106.94) 53.2,106.85 53.2,106.5 arc(53.24,106.41) 53.33,106.38 arc(53.41,106.34) 53.45,106.25 53.45,102.1 53.77,101.78 53.77,97.86 v2(53.9,97.74)